# Altium PCB PCB_Kasli.PCBDOC (part 10 of 14)
Units mm, origin at the board's own origin, x right, y up, seen from the top; angles counter-clockwise.
Board outline 162.29 x 100 mm, 6 copper layers (TopLayer, MidLayer1, MidLayer2, SignalLayer1, Internal Plane 1, BottomLayer), stack 1.528 mm thick; 646 components, 567 nets, 2756 pads, 1560 vias.
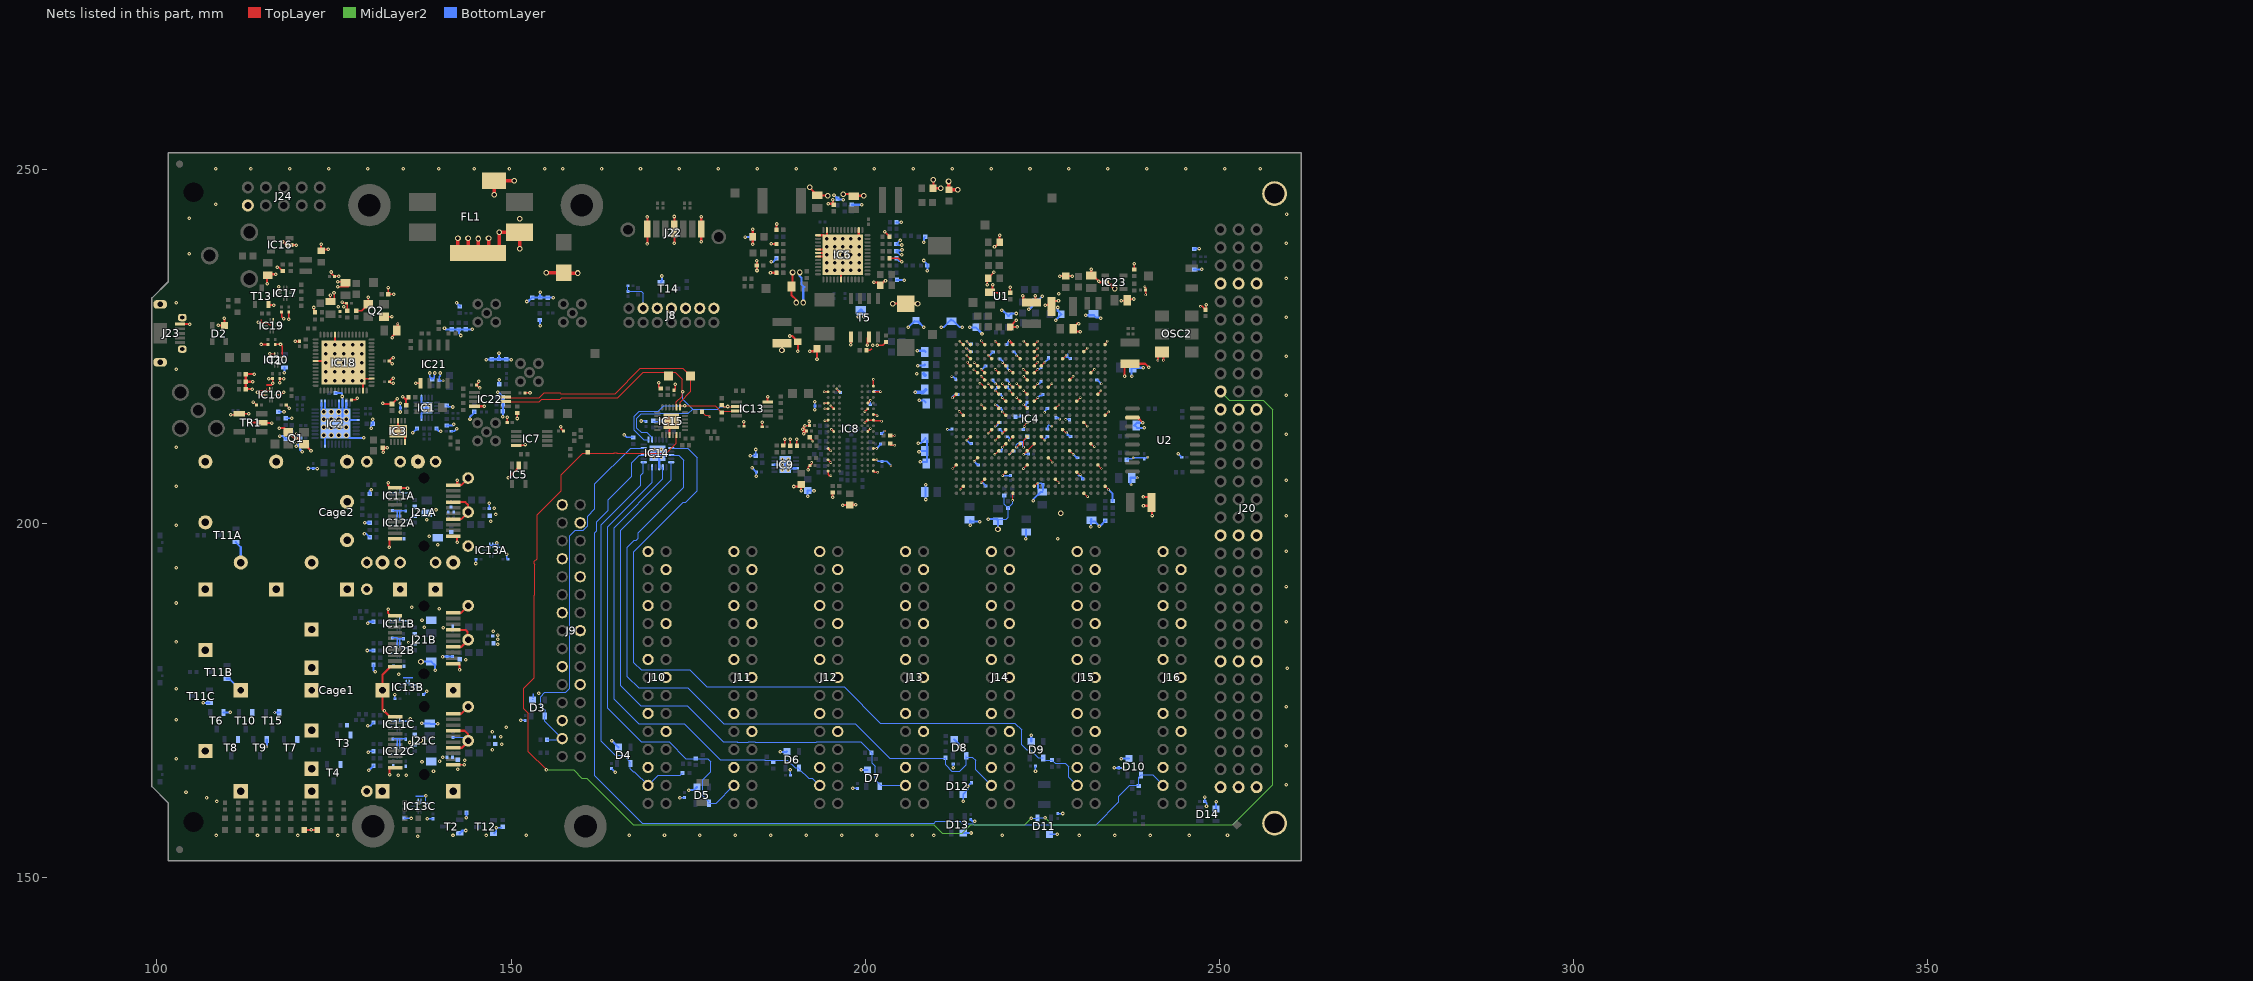
[diagram p14: the nets of this part, all layers, seen from the top]

## Via types
v1: diameter 0.5, hole 0.2, TopLayer to BottomLayer, tented both sides, 724 vias
v2: diameter 0.35, hole 0.15, TopLayer to BottomLayer, tented both sides, 628 vias
v3: diameter 0.8, hole 0.5, TopLayer to BottomLayer, tented both sides, 122 vias
v4: diameter 0.8, hole 0.5, TopLayer to BottomLayer, 66 vias
v5: diameter 0.5, hole 0.2, TopLayer to BottomLayer, 20 vias

## Nets (pads, with @x,y where several pads share a name; then routed paths per layer and width w, separated by ;. In a path a pad name is that pad's centre, name@x,y a point inside that pad or via, vN(x,y) a via of type N, cw(c..) or ccw(c..) an arc to the next point about the centre after c; other vN are vias at no path point) (continued)
GND: C3.1 C9.1 C12.1 C13.2 C15.1 C16.1 C17.1 C18.1 C19.1 C23.1 C24.1 C25.1 C26.1 C28.1 C29.1 C30.1 C31.1 C32.1 C33.1 C34.1 C35.1 C36.1 C37.1 C39.1 C40.1 C41.1 C42.1 C43.1 C44.1 C46.1 C47.1 C48.1 C52.1 C53.1 C54.1 C55.1 C56.1 C57.1 C58.1 C59.1 C60.1 C61.1 C62.1 C63.1 C64.1 C65.1 C66.1 C67.1 C68.1 C69.1 C70.1 C71.1 C72.1 C73.1 C74.1 C75.1 C76.1 C77.1 C78.1 C79.1 C80.1 C81.1 C82.1 C83.1 C84.1 C85.1 C86.1 C87.1 C88.1 C89.1 C90.1 C91.2 C92.1 C93.1 C94.1 C95.1 C96.1 C97.1 C98.1 C99.1 C100.1 C101.1 C102.1 C103.1 C104.1 C105.1 C106.1 C107.1 C108.1 C109.1 C110.1 C111.1 C112.1 C113.1 C114.1 C115.1 C116.1 C117.1 C118.1 C119.1 C120.1 C121.1 C122.1 C123.1 C124.1 C125.1 C127.1 C128.1 C129.1 C130.1 C131.1 C132.1 C133.1 C135.1 C136.1 C137.1 C138.1 C141.1 C142.1 C144.1 C145.1 C146.1 C147.1 C148.1 C149.1 C152.1 C153.1 C154.1 C156.1 C157.1 C158.1 C159.1 C160.1 C161.1 C162.1 C163.1 C164.1 C165.1 C166.1 C167.1 C168.1 C169.1 C170.1 C171.1 C172.1 C173.1 C174.1 C175.1 C176.1 C177.1 C178A.1 C178B.1 C178C.1 C179A.1 C179B.1 C179C.1 C180A.1 C180B.1 C180C.1 C181A.1 C181B.1 C181C.1 C182A.1 C182B.1 C182C.1 C183A.1 C183B.1 C183C.1 C184A.1 C184B.1 C184C.1 C185A.1 C185B.1 C185C.1 C186A.1 C186B.1 C186C.1 C187A.1 C187B.1 C187C.1 C188A.1 C188B.1 C188C.1 C189A.1 C189B.1 C189C.1 C190A.1 C190B.1 C190C.1 C191A.1 C191B.1 C191C.1 C192.1 C193.1 C194.1 C195.1 C196.1 C197.1 C202.1 C203.1 C204.1 C205.1 C206.1 C207.1 C208.1 C209.1 C210.1 C211.1 C212.1 C213.1 C214.1 C215.1 C216.1 C217.1 C218.1 C219.1 C220.1 C221.1 C222.1 C223.1 C224.1 C225.1 C226.1 C227.1 C229.1 C230.1 C231.1 C232.1 C233.1 C235.1 C238.1 C240.1 Cage1.1 Cage1.2 Cage1.3 Cage1.4 Cage1.5 Cage1.6 Cage1.7 Cage1.8 Cage1.9 Cage1.10 Cage1.11 Cage1.12 Cage1.13 Cage1.14 Cage1.15 Cage1.16 Cage1.17 Cage1.18 Cage1.19 Cage1.20 Cage1.21 Cage1.22 Cage1.23 Cage1.24 Cage1.25 Cage2.1 Cage2.2 Cage2.3 Cage2.4 Cage2.5 Cage2.6 Cage2.7 Cage2.8 Cage2.9 Cage2.10 Cage2.11 Cage2.12 Cage2.13 Cage2.14 Cage2.15 Cage2.16 Cage2.17 Cage2.18 Cage2.19 Cage2.20 D1.2 D2.1 D3.1 D4.1 D5.1 D6.1 D7.1 D8.1 D9.1 D10.1 D11.1 D12.1 D13.1 D14.1 FL1.4 IC1.5 IC1.16 IC1.17 IC2.8 IC2.19 IC2.20 IC2.24 IC2.25 IC2.26 IC2.31 IC2.36 IC2.37 IC3.5 IC3.8 IC3.11 IC4.A2 IC4.A3 IC4.A5 IC4.A7 IC4.A9 IC4.A11 IC4.A12 IC4.A22 IC4.AA2 IC4.AA12 IC4.AA22 IC4.AB9 IC4.AB19 IC4.B3 IC4.B12 IC4.B19 IC4.C3 IC4.C6 IC4.C10 IC4.C12 IC4.C16 IC4.D3 IC4.D4 IC4.D8 IC4.D12 IC4.D13 IC4.E4 IC4.E5 IC4.E7 IC4.E9 IC4.E11 IC4.E12 IC4.E20 IC4.F5 IC4.F11 IC4.F17 IC4.G5 IC4.G6 IC4.G7 IC4.G8 IC4.G9 IC4.G10 IC4.G12 IC4.G14 IC4.H1 IC4.H7 IC4.H9 IC4.H11 IC4.H21 IC4.J8 IC4.J10 IC4.J12 IC4.J18 IC4.K5 IC4.K7 IC4.K11 IC4.K15 IC4.L2 IC4.L8 IC4.L22 IC4.M7 IC4.M11 IC4.M19 IC4.N6 IC4.N8 IC4.N16 IC4.P3 IC4.P7 IC4.P9 IC4.P11 IC4.P13 IC4.R8 IC4.R10 IC4.R12 IC4.R20 IC4.T7 IC4.T9 IC4.T11 IC4.T17 IC4.U4 IC4.U14 IC4.V1 IC4.V11 IC4.V21 IC4.W8 IC4.W18 IC4.Y5 IC4.Y15 IC5.2 IC6.2 IC6.11 IC6.13 IC6.17 IC6.18 IC6.19 IC6.30 IC6.49 IC7.4 IC8.A9 IC8.B1 IC8.B3 IC8.B9 IC8.D1 IC8.D8 IC8.E1 IC8.E2 IC8.E8 IC8.F9 IC8.G1 IC8.G8 IC8.G9 IC8.J2 IC8.J8 IC8.M1 IC8.M9 IC8.P1 IC8.P9 IC8.T1 IC8.T9 IC9.4 IC9.8 IC9.11 IC10.2 IC10.3 IC10.4 IC10.9 IC11A.2 IC11A.3 IC11A.10 IC11B.2 IC11B.3 IC11B.10 IC11C.2 IC11C.3 IC11C.10 IC12A.1 IC12A.2 IC12A.3 IC12B.1 IC12B.2 IC12B.3 IC12C.1 IC12C.2 IC12C.3 IC13.4 IC13A.1 IC13A.2 IC13A.3 IC13B.1 IC13B.2 IC13B.3 IC13C.1 IC13C.2 IC13C.3 IC14.9 IC14.25 IC15.9 IC15.25 IC16.2 IC17.3 IC18.10 IC18.21 IC18.41 IC18.45 IC18.57 IC19.1 IC19.3 IC20.2 IC20.3 IC20.10 IC21.5 IC22.4 IC23.2 J8.1 J8.3 J8.5 J8.7 J8.9 J8.11 J9.1 J9.4 J9.7 J9.10 J9.13 J9.16 J9.19 J9.22 J9.25 J10.1 J10.4 J10.7 J10.10 J10.13 J10.16 J10.19 J10.22 J10.25 J11.1 J11.4 J11.7 J11.10 J11.13 J11.16 J11.19 J11.22 J11.25 J12.1 J12.4 J12.7 J12.10 J12.13 J12.16 J12.19 J12.22 J12.25 J13.1 J13.4 J13.7 J13.10 J13.13 J13.16 J13.19 J13.22 J13.25 J14.1 J14.4 J14.7 J14.10 J14.13 J14.16 J14.19 J14.22 J14.25 J15.1 J15.4 J15.7 J15.10 J15.13 J15.16 J15.19 J15.22 J15.25 J16.1 J16.4 J16.7 J16.10 J16.13 J16.16 J16.19 J16.22 J16.25 J20.a4 J20.a11 J20.a18 J20.a25 J20.a32 J20.b4 J20.b11 J20.b18 J20.b25 J20.b32 J20.c4 J20.c11 J20.c18 J20.c25 J20.c32 J20.MTG1 J20.MTG2 J21A.1 J21A.10 J21A.11 J21A.14 J21A.17 J21A.20 J21B.1 J21B.10 J21B.11 J21B.14 J21B.17 J21B.20 J21C.1 J21C.10 J21C.11 J21C.14 J21C.17 J21C.20 J22.1 J22.4 J22.7 J23.5 J23.6 J24.10 L5.1 LD9.2 LD10.2 OSC2.3 Q1.2 Q1.4 Q2.2 Q2.4 R2.1 R4.2 R6.2 R7.2 R8.2 R13.1 R16.2 R17.1 R18.2 R19.1 R21.2 R23.1 R24.2 R28.1 R29.1 R30.1 R31.1 R32.1 R38.1 R39.1 R43.1 R45.1 R47.1 R48.1 R49.2 R54.2 R56.2 R60.1 R65.1 R66.2 R67.1 R68.1 R72.1 R76.1 R77.1 R81.1 R84.1 R85.1 R93.1 R122.1 R123.1 R124.1 R125.1 R126.1 R129.1 R130A.1 R130B.1 R130C.1 R144A.1 R144B.1 R144C.1 R145A.1 R145B.1 R145C.1 R152.1 R153.1 R154.1 R177.1 R179.1 R193.1 R199.1 R201.1 R208.1 R211.1 R212A.1 R212B.1 R212C.1 R213A.1 R213B.1 R213C.1 R214.1 T1.2 T2.2 T3.2 T4.2 T5.1 T5.3 T6.2 T7.2 T8.2 T9.2 T10.2 T11A.2 T11B.2 T11C.2 T12.2 T13.2 T14.2 T15.2 TR1.2 TR1.6 U1.A1 U2.10 | length 682.1
  TopLayer w0.1: 115.475,218.95 115.5,218.975 115.5,219.05
  TopLayer w0.125: v1(113.6,217.2) 113.65,217.2 C203.1@114.05,216.8 ; IC10.4@115.2,218.2 114.6,218.2 v1(114.2,218.6) ; IC10.3@115.2,218.6 v1(114.2,218.6) ; IC10.2@115.9,218.9 114.5,218.9 v1(114.2,218.6) ; v1(115.94,224.035) 116.61,224.035 116.64,224.005 IC20.2@116.64,223.839 ; IC10.9@117,218.2 117,218.244 117.544,218.244 v1(117.9,218.6) ; C227.1@118.25,216.8 118.25,216.75 v1(118.7,216.3) ; R177.1@176.945,215.825 177.433,215.337 177.863,215.337 v2(178.075,215.125) ; v2(194.309,214.585) 194.703,214.585 IC8.G1@194.767,214.649 ; IC8.M9@201.167,210.649 v2(201.617,210.649) ; v2(212.35,217.8) v2@212.357,217.8 ; v2(212.372,207.815) IC4.V1@212.872,208.315 ; v2(213.285,215.886) 213.301,215.886 IC4.L2@213.872,215.315 ; v2(213.372,225.815) IC4.A2@213.872,225.315 ; v2(213.411,204.851) 213.411,204.854 IC4.AA2@213.872,205.315 ; v2(214.372,211.815) IC4.P3@214.872,212.315 ; v2@214.372,222.815 IC4.D3@214.872,222.315 ; v2(214.372,223.815) IC4.C3@214.872,223.315 ; v2@214.372,224.815 IC4.B3@214.872,224.315 ; v2(214.372,225.815) IC4.A3@214.872,225.315 ; v2(215.361,221.761) 215.426,221.761 IC4.E4@215.872,221.315 ; v2(215.372,208.815) IC4.U4@215.872,209.315 ; v2(215.41,222.761) 215.426,222.761 IC4.D4@215.872,222.315 ; v2(216.211,219.84) 216.347,219.84 IC4.G5@216.872,219.315 ; v2(216.372,205.815) IC4.Y5@216.872,206.315 ; v2(216.372,216.815) IC4.K5@216.872,216.315 ; v2(216.372,220.815) IC4.F5@216.872,220.315 ; v2(216.372,221.815) IC4.E5@216.872,221.315 ; v2(216.4,225.85) 216.4,225.787 IC4.A5@216.872,225.315 ; v2(217.372,212.815) IC4.N6@217.872,213.315 ; v2(217.372,219.815) IC4.G6@217.872,219.315 ; v2(217.372,223.815) IC4.C6@217.872,223.315 ; v2(218.313,209.804) 218.361,209.804 IC4.T7@218.872,210.315 ; v2(218.361,225.786) 218.401,225.786 IC4.A7@218.872,225.315 ; v2(218.372,211.815) IC4.P7@218.872,212.315 ; v2(218.372,213.815) IC4.M7@218.872,214.315 ; v2(218.372,216.815) IC4.K7@218.872,216.315 ; v2(218.372,221.815) IC4.E7@218.872,221.315 ; v2(218.375,218.775) 218.412,218.775 IC4.H7@218.872,218.315 ; v2(218.411,219.761) 218.426,219.761 IC4.G7@218.872,219.315 ; v2(219.372,210.815) IC4.R8@219.872,211.315 ; v2(219.372,215.815) IC4.L8@219.872,215.315 ; v2(219.372,217.815) IC4.J8@219.872,217.315 ; v2(219.372,219.815) IC4.G8@219.872,219.315 ; v2(219.405,206.807) 219.405,206.848 IC4.W8@219.872,207.315 ; v2(219.412,222.775) IC4.D8@219.872,222.315 ; v2(220.336,209.835) 220.392,209.835 IC4.T9@220.872,210.315 ; v2(220.361,221.661) 220.404,221.618 220.556,221.618 220.859,221.315 IC4.E9@220.872,221.315 ; v2(220.372,211.815) IC4.P9@220.872,212.315 ; v2(220.372,219.815) IC4.G9@220.872,219.315 ; v2@220.375,225.812 v2(220.375,225.85) ; v2(220.411,218.761) 220.426,218.761 IC4.H9@220.872,218.315 ; v2(220.828,203.302) 220.828,204.271 IC4.AB9@220.872,204.315 ; v2(221.361,210.835) 221.392,210.835 IC4.R10@221.872,211.315 ; v2(221.372,217.815) IC4.J10@221.872,217.315 ; v2(221.372,219.815) IC4.G10@221.872,219.315 ; v2(221.375,223.725) 221.462,223.725 IC4.C10@221.872,223.315 ; v2(222.352,207.797) 222.354,207.797 IC4.V11@222.872,208.315 ; v2(222.361,210.81) 222.361,211.804 IC4.P11@222.872,212.315 ; v2(222.372,209.815) IC4.T11@222.872,210.315 IC4.R12@223.872,211.315 ; v2(222.372,216.815) IC4.K11@222.872,216.315 ; v2(222.372,218.815) IC4.H11@222.872,218.315 ; v2(222.372,220.815) IC4.F11@222.872,220.315 ; v2@222.372,221.815 IC4.E11@222.872,221.315 ; v2(222.372,225.815) IC4.A11@222.872,225.315 ; v2(222.461,213.735) 222.461,213.854 222.436,213.879 IC4.M11@222.872,214.315 ; IC4.AA12@223.872,205.315 224.322,205.765 v2(224.384,205.765) ; IC4.J12@223.872,217.315 v2(224.372,217.815) ; IC4.G12@223.872,219.315 224.35,219.793 v2(224.35,219.8) ; IC4.E12@223.872,221.315 v2(224.372,221.815) ; IC4.D12@223.872,222.315 v2(224.372,222.815) ; IC4.C12@223.872,223.315 v2(224.372,223.815) ; IC4.B12@223.872,224.315 v2(224.372,224.815) ; IC4.A12@223.872,225.315 v2(224.372,225.815) ; IC4.P13@224.872,212.315 v2(225.372,211.815) ; IC4.D13@224.872,222.315 v2(225.372,222.815) ; IC4.U14@225.872,209.315 226.416,208.771 v2(226.416,208.712) ; IC4.G14@225.872,219.315 v2(226.372,219.815) ; IC4.Y15@226.872,206.315 v2(227.372,205.815) ; IC4.K15@226.872,216.315 v2(227.372,216.815) ; IC4.N16@227.872,213.315 228.352,212.835 v2(228.436,212.835) ; IC4.C16@227.872,223.315 v2(228.372,223.815) ; IC4.T17@228.872,210.315 v2(229.372,209.815) ; IC4.F17@228.872,220.315 v2(229.372,220.815) ; IC4.W18@229.872,207.315 230.228,206.959 v2(230.378,206.959) ; IC4.J18@229.872,217.315 v2(230.372,217.815) ; IC4.AB19@230.872,204.315 231.352,203.835 v2(231.411,203.835) ; IC4.M19@230.872,214.315 v2(231.372,213.815) ; IC4.B19@230.872,224.315 v2(231.372,224.815) ; IC4.R20@231.872,211.315 232.277,210.91 v2(232.361,210.91) ; IC4.E20@231.872,221.315 v2(232.372,221.815) ; IC4.V21@232.872,208.315 v2(233.372,207.815) ; IC4.H21@232.872,218.315 233.274,218.717 v2(233.274,218.786) v2@233.274,218.796 ; IC4.AA22@233.872,205.315 v2(234.372,204.815) ; IC4.L22@233.872,215.315 v2(234.372,215.815) ; IC4.A22@233.872,225.315 233.872,225.422 234.211,225.761 v2(234.211,225.815)
  TopLayer w0.15: IC19.3@115.305,228.365 115.578,228.365 115.842,228.101 115.999,228.101 116,228.1 116.3,228.1 116.405,228.205 IC19.1@116.405,228.615
  TopLayer w0.2: v1(110.4,215.4) 111.572,215.4 111.672,215.5 TR1.6@111.635,215.537 v1(112.962,215.537) ; v1(114.3,228.475) 114.41,228.365 114.7,228.365 ; 114.7,228.8 114.7,228.365 ; IC19.3@115.305,228.365 114.7,228.365 ; v1(115.778,220.503) C218.1@116.332,220.503 v1(116.332,219.882) ; IC20.3@115.94,223.539 v1(115.94,224.035) ; C215.1@116.713,225.329 v1(117.444,225.329) 117.675,225.098 117.675,223.604 IC20.10@117.74,223.539 ; v1(117,236.25) 117.221,236.25 117.946,235.525 117.95,235.529 R193.1@117.774,235.705 ; IC17.3@117.2,232.947 v1(117.2,233.475) ; C214.1@117.348,220.503 C214.1@117.35,220.501 ; v1(117.35,219.95) C214.1@117.35,220.501 ; C217.1@117.602,229.901 117.602,229.277 v1(117.9,228.979) ; v1(117.9,220.475) 117.376,220.475 C214.1@117.35,220.501 ; IC16.2@118.309,239.391 IC16.2@118.72,239.391 ; v1(118.618,228.918) C213.1@118.618,229.901 ; IC16.2@118.637,239.312 IC16.2@118.69,239.295 ; C211.1@123.931,231.58 124.5,231.58 v1(124.5,232.25) ; v1(124.631,235.561) 124.631,235.383 C204.1@125.064,234.95 v1(125.675,234.95) ; C211.1@125,231.337 v1(125,232.632) ; v1(125.5,233.5) 127.091,233.5 126.391,234.2 v1(125.5,234.2) ; C212.1@125.857,229.966 C212.1@125.857,230.132 ; v1(126.183,231.323) 126.365,231.14 C210.1@126.777,231.14 ; R199.1@126.873,230.086 C210.1@126.873,231.044 ; C221.1@127.45,217.5 128.05,217.5 128.281,217.731 v1(128.281,217.736) ; C208.1@128.143,230.066 128.929,230.066 Q2.2@129.837,230.974 v1(129.837,231.986) ; IC18.57@128.615,220.508 IC18.45@130.315,220.508 IC18.45@130.315,220.558 ; Q2.4@132.037,229.274 v1(133.184,229.274) ; v1(132.657,233.368) C207.1@132.657,232.41 v1(133.435,232.41) ; C224.1@132.825,220.118 C224.1@132.825,220.075 ; v1(133.223,222.6) C222.1@132.811,223.012 133.224,223.425 v1(133.35,223.425) ; v1(133.35,220.575) 133.325,220.575 C224.1@132.825,220.075 ; v1(133.375,219.85) 133.05,219.85 C224.1@132.825,220.075 ; v1(136.55,219.853) IC21.5@137.218,219.853 ; J21C.11@141.844,165.988 143.362,165.988 v1(143.375,165.975) ; v1(145.432,220.107) 145.375,220.05 145.375,219.86 145.134,219.619 C219.1@145.109,219.619 145.541,219.187 v1(145.553,219.187) v1@145.565,219.175 ; C29.1@149.475,214.325 v1(149.475,215.025) ; v1(149.592,206.508) 149.608,206.508 151.075,207.975 IC5.2@151.075,208.225 ; IC7.4@150.725,211.075 151.875,211.075 v1(152,211.2) v1@152.099,211.1 ; v1(150.85,214.875) R208.1@150.85,215.63 ; C220.1@151.95,218.5 v1(152.675,218.5) ; v1(157,213.7) 157,213.5 C28.1@157.4,213.1 ; v1(170.85,219.95) 170.85,219.387 R179.1@171.127,219.11 ; C197.1@173.1,218.875 173.208,218.983 173.208,219.717 v1(173.2,219.725) ; C192.1@182.875,213.775 v1(182.875,214.425) ; C193.1@185.461,213.705 v1(185.461,214.361) ; R129.1@188.45,211.045 188.625,211.22 v1(188.625,211.925) ; C175.1@189.425,211.05 v1(189.425,211.975) ; R124.1@190.355,211.05 v1(190.355,211.955) ; v1(191.2,213.375) 191.325,213.375 191.475,213.375 C168.1@191.725,213.125 v1(191.325,212.725) ; v1(191.5,213.875) C162.1@192.125,213.875 192.075,213.925 v1(192.075,214.45) ; v1(191.934,207.635) 191.934,207.98 192.202,208.248 C167.1@192.2,208.25 192.43,208.48 v2(192.43,208.665) v2@192.44,208.675 ; R126.1@192.18,212.25 192.18,212.145 192.609,211.716 v2(192.609,211.685) ; v2(194.201,217.049) IC8.D1@194.767,217.049 ; v2(194.226,218.649) IC8.B1@194.767,218.649 ; v2(194.317,216.249) IC8.E1@194.767,216.249 ; IC8.P1@194.736,209.08 194.731,209.075 195.135,208.671 v2(195.135,208.635) ; IC8.P1@194.761,209.055 IC8.P1@194.767,209.049 ; IC8.T1@194.767,207.449 194.767,206.986 194.928,206.825 v2(195.15,206.825) ; IC8.M1@194.767,210.649 195.091,210.325 v2(195.148,210.325) ; v2(195.166,216.65) IC8.E2@195.567,216.249 ; v2(195.223,213.335) 195.233,213.325 195.264,213.325 195.54,213.049 IC8.J2@195.567,213.049 ; v2(196.01,219.061) 196.01,219.006 IC8.B3@196.367,218.649 ; v2(199.95,214.275) 200.324,214.649 IC8.G8@200.367,214.649 IC8.G9@201.167,214.649 201.173,214.655 201.269,214.655 201.378,214.546 202.25,214.546 v2(202.31,214.485) ; v2(199.975,215.857) IC8.E8@200.367,216.249 ; R49.2@200.17,224.5 200.675,224.5 200.925,224.75 ; IC8.J8@200.367,213.049 200.367,213.071 200.735,213.439 v2(200.735,213.46) ; IC8.D8@200.367,217.049 v2(200.743,217.425) ; v1@200.975,225.225 v1(201.05,225.225) ; IC8.P9@201.167,209.049 v2(201.649,209.049) ; IC8.F9@201.167,215.449 201.205,215.411 201.519,215.411 201.64,215.29 v2(201.681,215.29) ; IC8.A9@201.167,219.449 v2(201.167,220.392) ; IC8.B9@201.179,218.661 v2(202.16,218.661) ; IC8.T9@201.216,207.4 201.331,207.285 v2(201.785,207.285) ; R125.1@203.545,211.1 v2(204.175,211.1) ; R122.1@203.545,212.475 v2(204.175,212.475) ; C160.1@217.932,232.606 218.752,232.606 U1.A1@218.952,232.406 ; v2@219.372,212.815 IC4.N8@219.872,213.315 ; v2(239.5,233.5) 239.6,233.4 C232.1@239.6,233 v2(239.6,232.35) ; v2(247.325,230.7) 247.6,230.7 C238.1@248.05,230.25 248.088,230.25 248.15,230.188 v1(248.15,230.925)
  TopLayer w0.25: v1@201.689,225.211 v1(201.735,225.211) 202.481,225.211 R66.2@202.95,225.68 ; v1(202.76,241.262) 202.763,241.262 203.416,240.609 R68.1@203.416,240.538 ; R60.1@203.416,237.49 204.685,237.49 v1(205.15,237.025) ; v1(217.25,233.75) 217.25,234.36 217.15,234.46 C129.1@217.386,234.696 v1(218.19,235.5) ; C160.1@217.932,232.606 218,232.674 v1(218,233.75) ; C159.1@220.472,232.606 v1(220.472,233.397) ; v1(236.166,231.5) 237.25,231.5 237.315,231.435 237.63,231.75 v1(237.911,231.75) ; v1(237.987,236.737) 237.987,235.939 R67.1@237.998,235.928
  TopLayer w0.3: J23.5@103.524,228.198 v1(104.645,228.198) ; v1(108.652,228.023) D2.1@109.522,228.023 v1(109.522,229.025) ; C225.1@112.525,221.15 v1(113.75,221.15) ; C226.1@112.531,220.06 C226.1@112.545,220.06 ; C225.1@112.545,221.13 C226.1@112.545,220.06 ; v1(113.157,214.3) TR1.2@114.782,214.3 ; v1(113.45,219.025) R214.1@112.545,219.025 C226.1@112.545,220.06 ; v1(113.515,220.06) C226.1@112.545,220.06 ; v1(114.712,225.329) C216.1@115.697,225.329 ; TR1.2@114.815,214.267 114.847,214.235 v1(116.181,214.235) v1@116.215,214.235 ; v1(115.55,233.925) 115.55,234.975 C202.1@115.65,235.075 ; 115.575,219.625 116.175,219.625 ; C202.1@115.65,235.25 v1(116.75,235.25) ; T13.2@115.758,230.879 116.498,230.879 v1(116.506,230.886) v1@116.564,230.886 ; v1@117.275,213.53 v1(117.275,213.525) 117.949,213.525 Q1.2@118.534,212.94 119.384,212.09 ; IC16.2@118.72,239.391 118.761,239.35 v1(119.675,239.35) ; v1(119.55,225.775) C223.1@120.142,225.775 ; 119.884,212.09 Q1.4@120.734,211.24 120.81,211.24 v1(121.75,210.3) ; LD10.2@120.777,156.782 v1(121.782,156.782) LD9.2@122.64,156.782 ; v1(122.15,230.55) 122.15,230.059 R201.1@122.339,229.87 ; IC18.21@122.415,223.008 IC18.57@126.115,223.008 ; v1(123.175,239.5) 123.175,238.62 123.304,238.75 v1(124.175,238.75) ; IC18.57@125.115,224.008 IC18.10@125.115,226.708 ; IC18.41@129.115,218.808 IC18.57@129.115,220.008 ; v1(131.878,217.05) 131.993,216.935 C16.1@133.2,216.935 v1(133.915,217.65) ; v1(131.956,210.11) 131.956,210.669 C12.1@131.875,210.75 v1(132.5,210.75) ; v1(132.65,187.925) 132.65,187.4 133.017,187.033 J21B.1@133.629,187.033 ; v1(132.65,205.8) 132.65,205.425 133.002,205.073 J21A.1@133.634,205.073 135.327,205.073 v1(135.375,205.025) ; v1(132.825,196.675) 132.825,197.696 133.002,197.873 J21A.10@133.634,197.873 ; v1(132.85,164.6) 132.85,165.5 132.938,165.588 J21C.10@133.644,165.588 ; v1(133.25,226.25) 133.25,226.5 133.869,227.119 C206.1@133.869,227.33 ; J21B.10@133.629,179.833 132.983,179.833 131.84,178.69 Cage1.23@131.84,176.504 131.84,173.81 132.862,172.788 J21C.1@133.644,172.788 ; C206.1@133.769,227.33 133.75,227.349 134,227.599 v2(134,228.25) ; IC3.11@134.045,213.059 IC3.8@134.045,214.559 ; v1(134.72,217.975) 135.175,217.52 ; IC3.11@135.025,212.4 135.045,212.38 IC3.5@135.045,211.559 ; C19.1@135.175,216.725 135.175,217.52 ; R28.1@135.53,217.875 135.175,217.52 ; J21B.11@141.829,180.233 142.567,180.233 142.725,180.075 v1(142.725,179.375) ; J21B.14@141.829,182.633 143.008,182.633 143.85,183.475 143.85,184.75 143.567,185.033 J21B.17@141.829,185.033 ; J21B.20@141.829,187.433 142.944,187.433 Cage1.17@143.94,188.429 ; J21A.11@141.834,198.273 142.152,198.273 142.375,198.05 v1(142.375,197.4) ; J21A.14@141.834,200.673 142.95,200.673 Cage2.15@143.94,201.663 143.94,202.66 143.527,203.073 J21A.17@141.834,203.073 ; Cage1.4@141.84,162.254 Cage1.4@141.959,162.373 ; J21C.14@141.844,168.388 143.063,168.388 143.94,169.265 Cage1.20@143.94,169.379 143.94,170.285 143.437,170.788 J21C.17@141.844,170.788 ; J21C.20@141.844,173.188 142.949,173.188 Cage1.19@143.94,174.179 ; v1(142.4,206.175) 142.4,205.575 142.3,205.475 141.836,205.475 J21A.20@141.834,205.473 142.95,205.473 Cage2.14@143.94,206.463 ; IC22.4@144.845,216.612 146.188,216.612 v1(146.2,216.6) ; v1(169.244,239.519) v1(169.244,243.331) ; IC15.9@172.356,212.551 IC15.25@172.356,214.251 ; v1(173.054,239.621) v1(173.054,243.396) ; v1(176.864,239.811) v1(176.864,243.336) ; v1(184.125,239.475) C153.1@184.125,240.55 v1(184.125,241.575) ; v1(184.716,237.166) C230.1@184.716,236.474 184.725,236.465 v1(184.725,235.775) ; IC13.4@186.233,217.22 v1(186.233,217.933) ; v1(186.633,235.458) R76.1@187.49,235.458 ; v1(186.728,239.522) R84.1@187.49,239.522 ; R81.1@187.49,241.554 v1(187.49,242.34) ; v3(188.25,224.5) C147.1@188.25,225 ; v1(189.35,226.525) 189.7,226.525 C145.1@190.5,225.725 v1(190.5,224.375) ; v3(189.75,235.5) 189.75,233.65 C130.1@189.6,233.5 189.6,232.275 190.25,231.625 v3(190.25,231.25) ; v1(189.925,205.275) 190.675,205.275 C176.1@190.95,205.55 v1(190.95,204.675) ; v1(191.325,212.725) 191.325,213.375 191.325,213.7 v1@191.375,213.75 ; v3(192.19,247.54) 192.19,247.46 C133.1@193.25,246.4 ; v1(192.2,224.375) 192.825,224.375 C146.1@193.2,224.75 v1(193.2,223.25) ; IC6.19@193.35,237.748 IC6.49@196.6,237.748 ; IC6.18@193.35,238.248 196.6,238.248 v4(196.85,237.998) IC6.49@196.6,237.748 ; IC6.17@193.35,238.748 IC6.49@196.1,238.748 ; IC6.13@193.35,240.748 IC6.49@194.1,240.748 ; C133.1@193.7,246.275 193.775,246.35 v3(194.725,246.35) ; IC6.49@194.6,240.248 IC6.11@194.6,241.498 ; v1(194.8,245.2) 195.432,245.2 C154.1@195.45,245.182 ; v1(195.4,203.75) R123.1@195.4,204.43 ; v1(195.45,245.75) C154.1@195.45,245.182 ; C154.1@195.58,245.052 C154.1@195.45,245.182 ; IC6.30@196.6,234.498 IC6.49@196.6,237.748 ; v1(196.85,202.65) C174.1@197.8,202.65 197.85,202.7 v1(198.7,202.7) ; v3(196.9,246.55) 198.088,246.55 C132.1@198.374,246.264 198.435,246.325 v3(199.8,246.325) ; v1(197.993,225.268) T5.1@197.993,226.408 ; IC6.49@199.1,240.248 IC6.2@199.1,241.498 ; v1(200.325,225.25) 200.325,226.2 T5.3@200.533,226.408 ; IC8.B9@201.167,218.649 IC8.B9@201.179,218.661 ; v1(201.245,234.088) 201.738,234.088 C127.1@202.146,233.68 ; v2@202.15,218.651 v2(202.16,218.661) ; C127.1@202.151,233.675 C127.1@202.146,233.68 ; C127.1@202.205,233.68 C127.1@202.146,233.68 ; v1@202.871,234.321 v1(202.871,234.3) 202.766,234.3 C127.1@202.146,233.68 ; v3(203.9,231.1) C91.2@205.75,231.1 v3(207.4,231.1) ; v3(209.625,248.6) 209.625,247.433 C135.1@209.588,247.396 v3(210.696,247.396) ; v2@212.357,217.8 IC4.H1@212.872,218.315 ; v1(218.261,239.143) 218.353,239.143 C128.1@218.986,239.776 v1(218.986,240.736) ; v2@219.34,212.785 219.35,212.796 v2(219.35,212.815) v2@219.372,212.815 ; v2@220.375,225.812 IC4.A9@220.872,225.315 ; v1(221.361,228.725) 221.35,228.725 220.475,227.85 C57.1@220.475,227.8 v1(221.45,227.8) ; v1(222.275,232.2) 222.325,232.15 C56.1@222.325,231.575 ; C56.1@222.75,231.25 C56.1@223.5,231.25 224.1,231.25 224.036,231.314 v1(224.036,232.186) ; v1(225.406,230.892) 225.767,230.892 225.9,231.025 226.225,230.7 226.225,231.3 226.4,231.475 v1(227.3,231.475) ; v1(227.45,234.975) 228.333,234.975 C233.1@228.346,234.988 v1(229.213,234.988) ; v1(230.175,228.25) 229.925,228.25 229.225,227.55 229.625,227.15 230.324,227.15 v1(230.374,227.1) ; v1(231.927,235.941) C231.1@231.927,235.088 232.162,235.088 v1(233,234.25) 233.132,234.118 IC23.2@233.898,234.118 234.232,234.118 234.525,233.825 ; 234.775,233.825 234.525,233.825 ; v3(235.25,233.225) 235.125,233.225 234.525,233.825 ; v1(236.625,220.825) 236.625,222.325 236.9,222.6 C58.1@237.4,222.6 239.525,222.6 v1(240.025,222.1) ; U2.10@237.741,215.011 238.464,215.011 v1(239.2,214.275) ; v1(239.297,203.797) C54.1@240.5,203.797 ; v1(239.3,202.55) 240.075,202.55 C54.1@240.525,203 ; v1(240.525,201.175) C54.1@240.525,203 ; C54.1@240.525,203.725 C54.1@240.525,203 ; v2(241.325,223.1) 241.325,223.683 OSC2.3@241.85,224.208 ; OSC2.3@241.924,224.282 OSC2.3@241.85,224.208 ; v2(242.125,223.1) 242.125,223.933 OSC2.3@241.85,224.208